# Altium PCB PCB1.PcbDoc (part 1 of 2)
Units mm, origin at the board's own origin, x right, y up, seen from the top; angles counter-clockwise.
Board outline 74.2 x 44.2 mm, 4 copper layers (Top Layer, Signal Layer 1, Signal Layer 2, Bottom Layer), stack 0.778 mm thick; 125 components, 98 nets, 589 pads, 210 vias.
Unrouted connection lines stored in the file: 7.
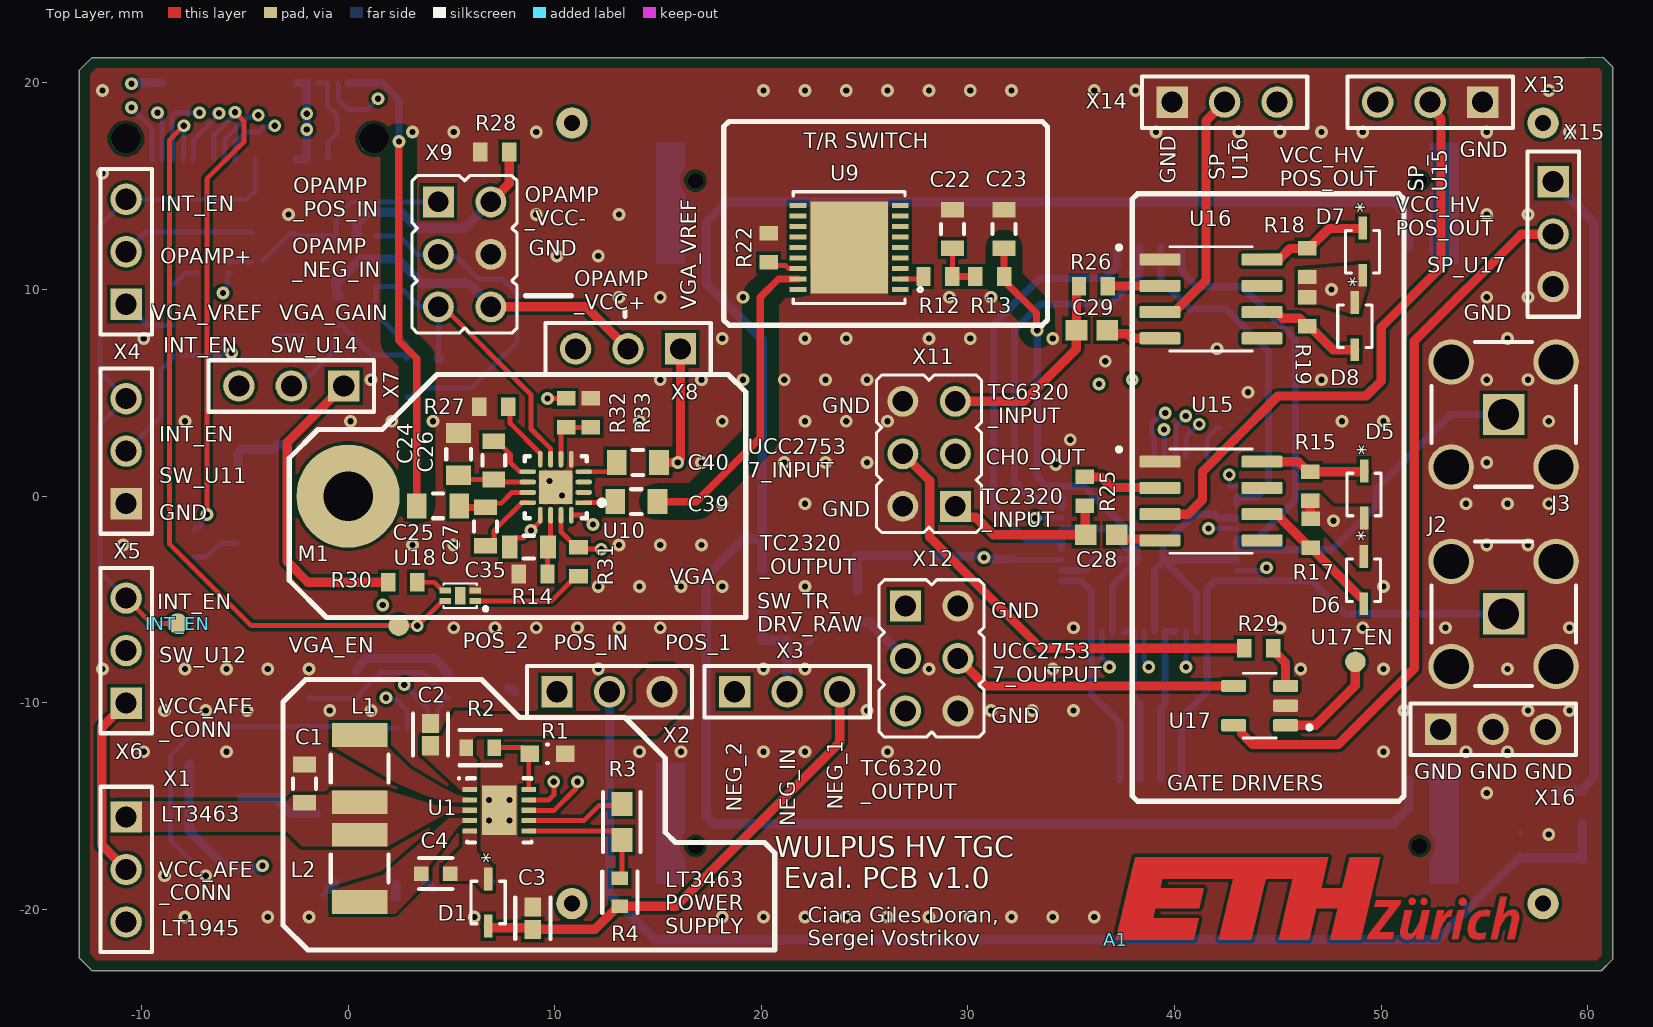
[diagram p0: Top Layer view]
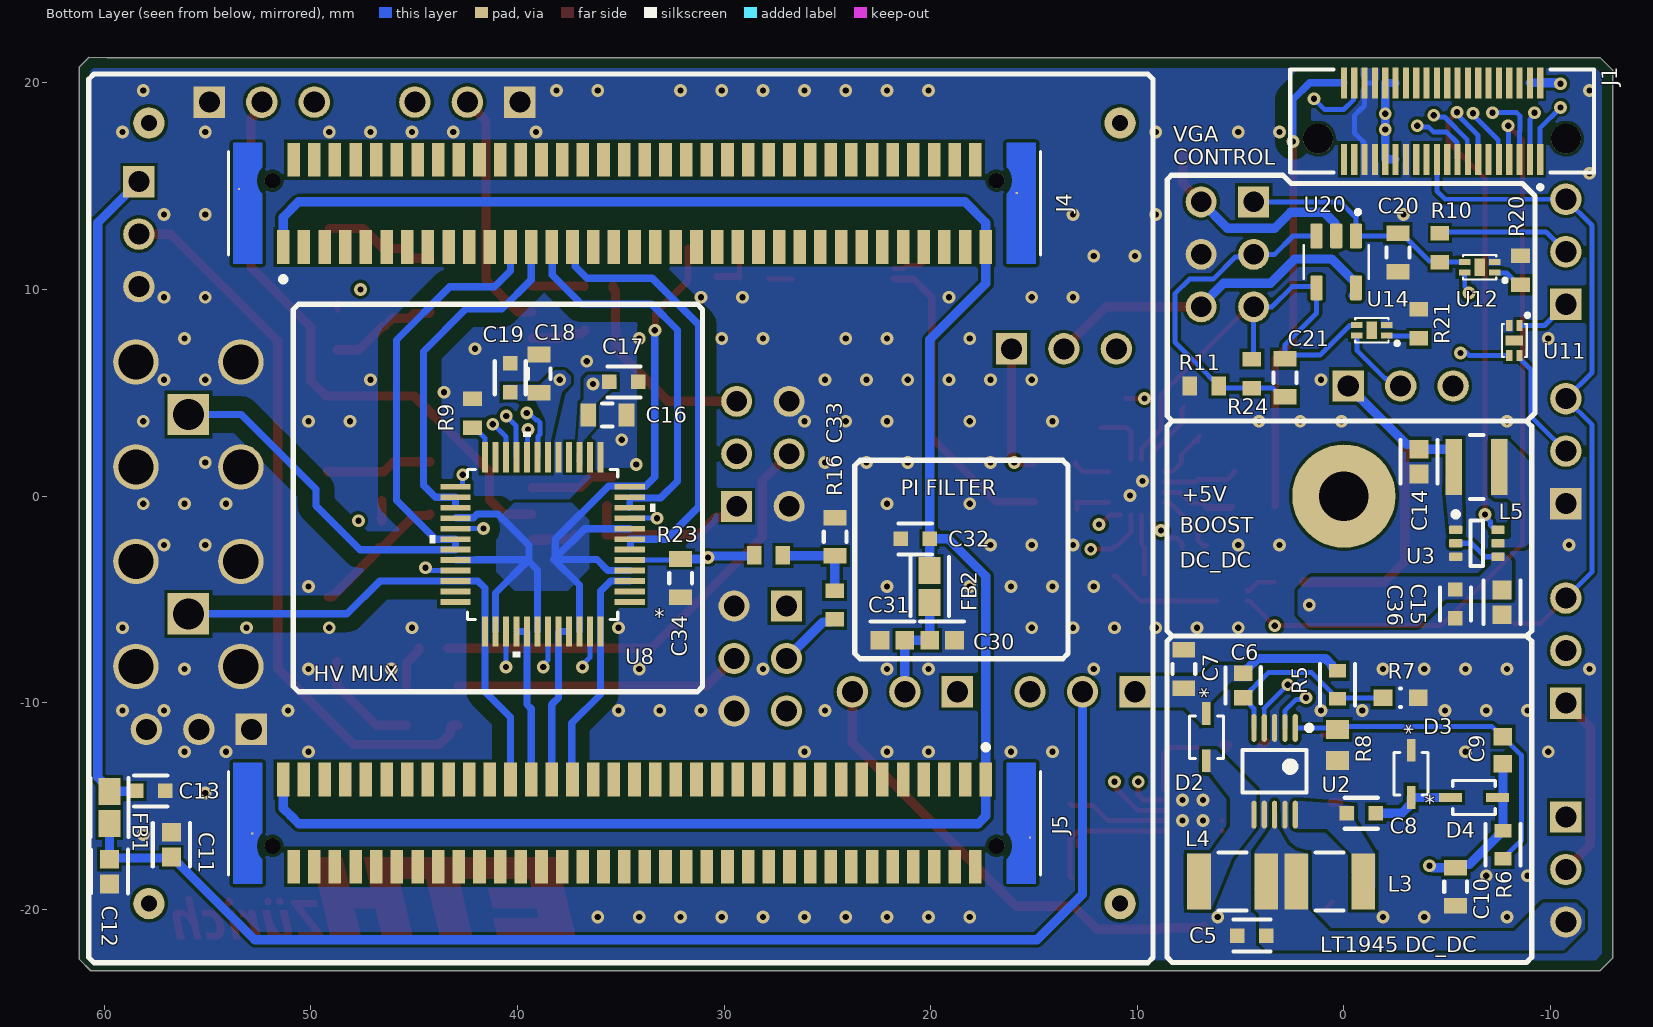
[diagram p1: Bottom Layer view, seen from below]
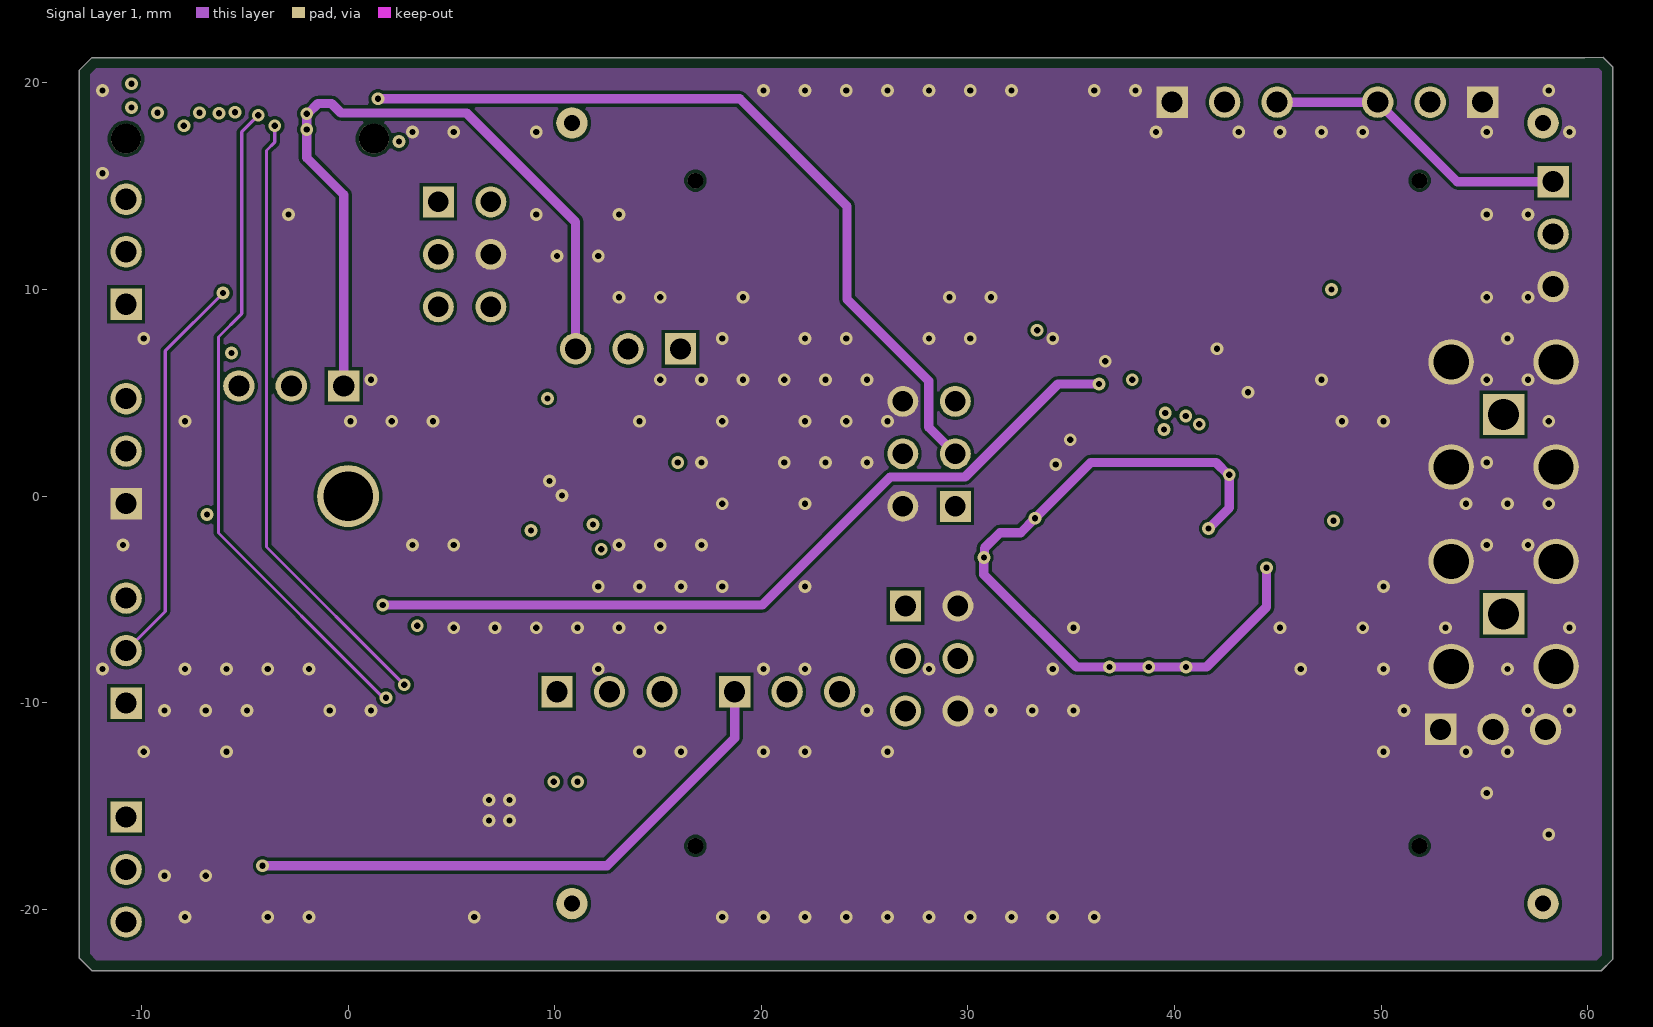
[diagram p2: Signal Layer 1]
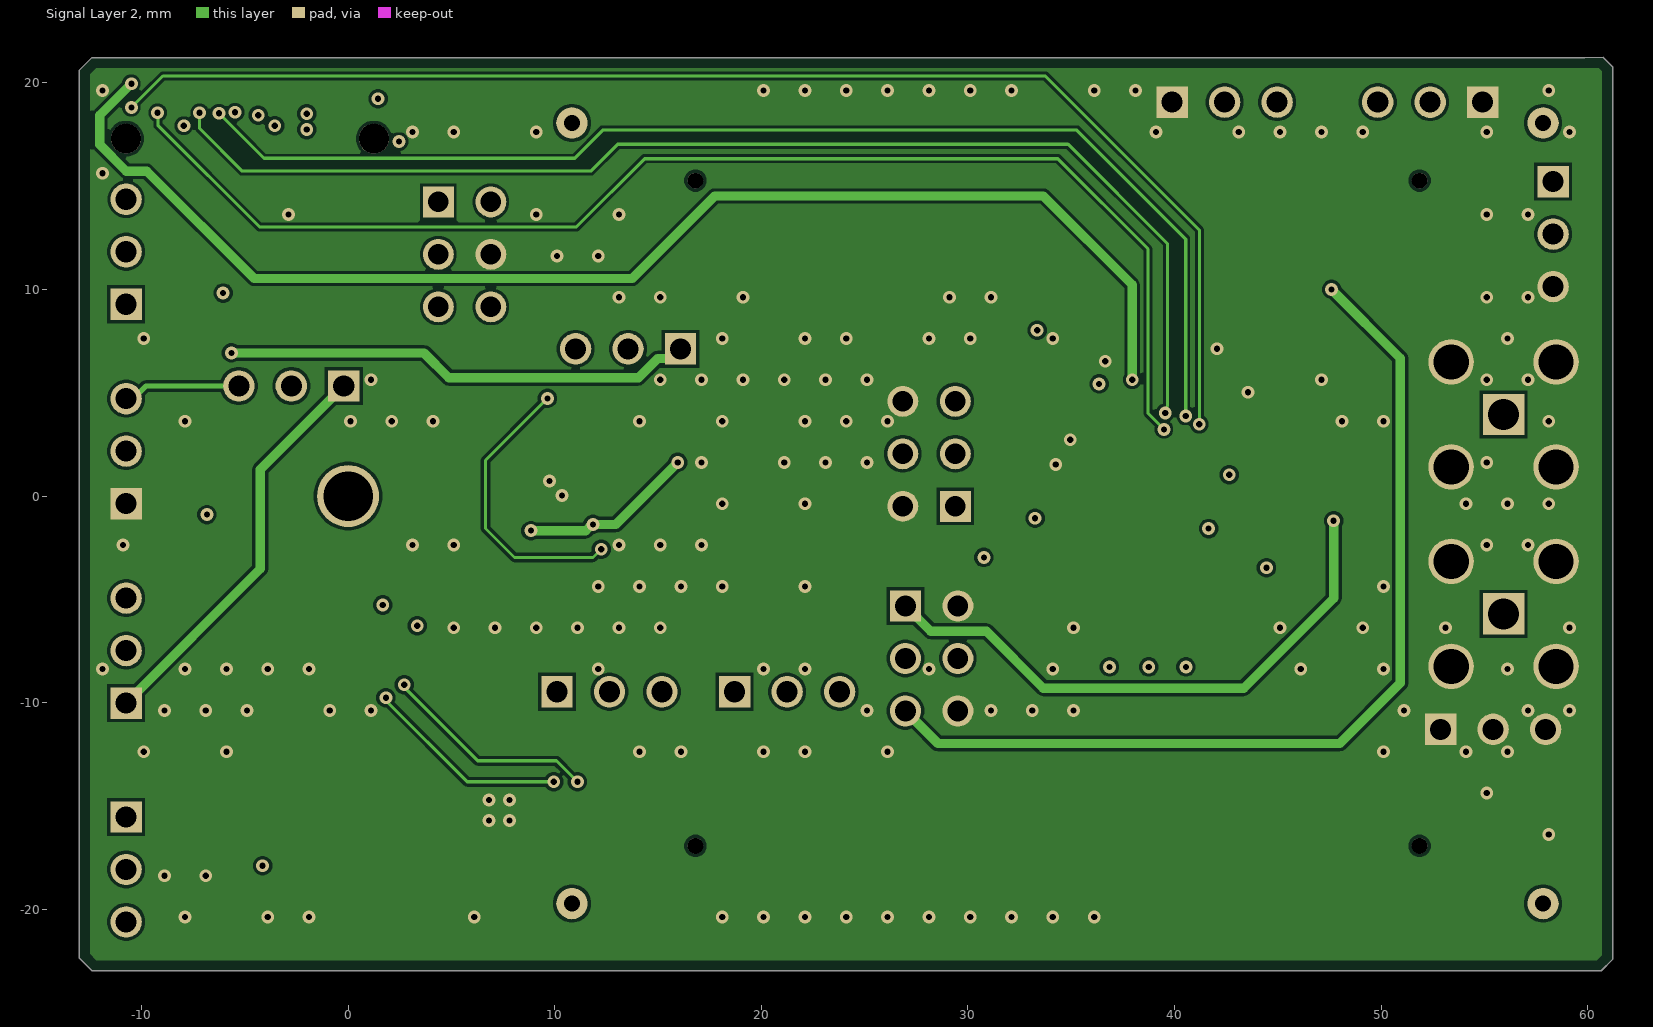
[diagram p3: Signal Layer 2]
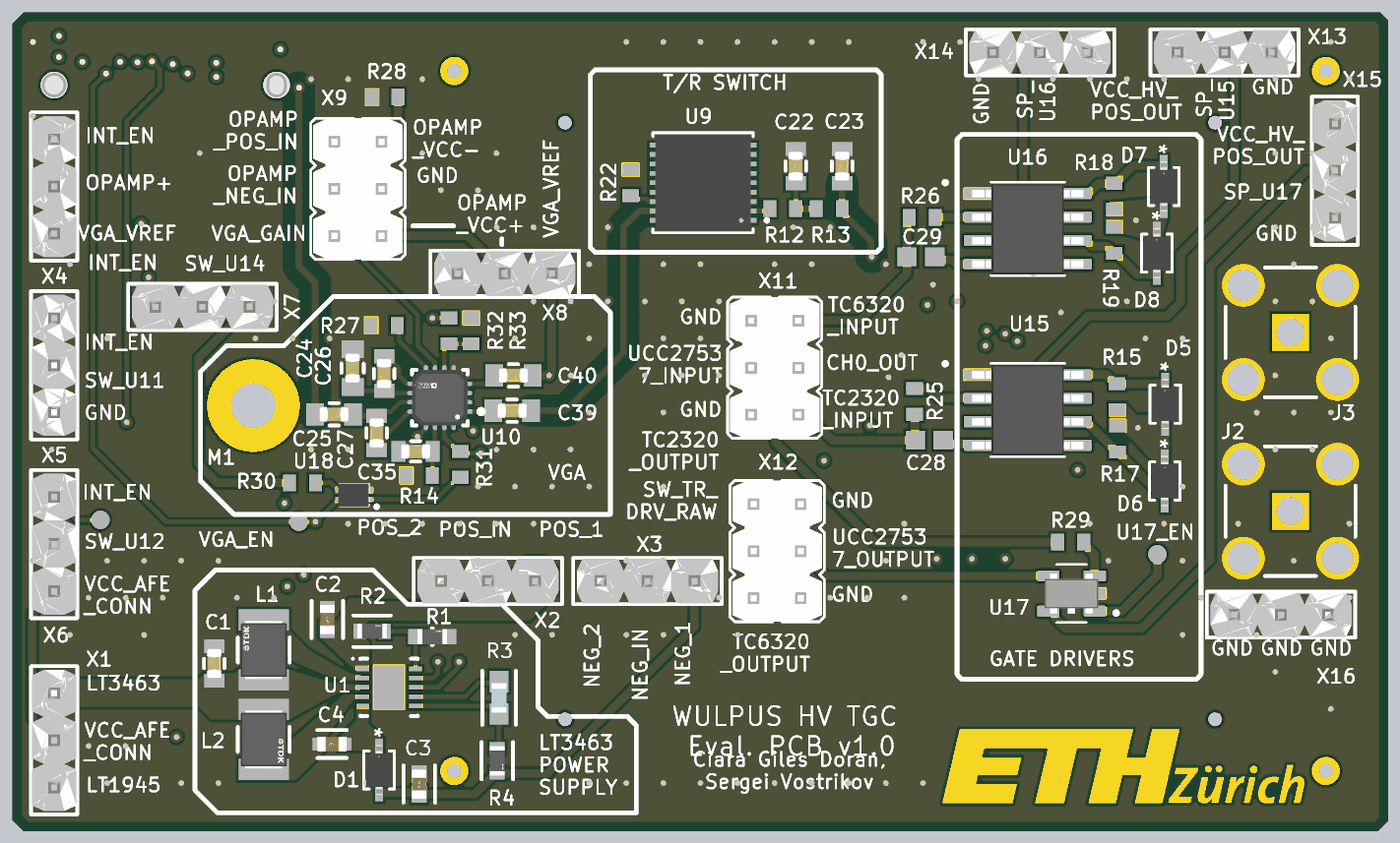
[diagram p5: 3D render of the assembled board from above, using the file's embedded part models]
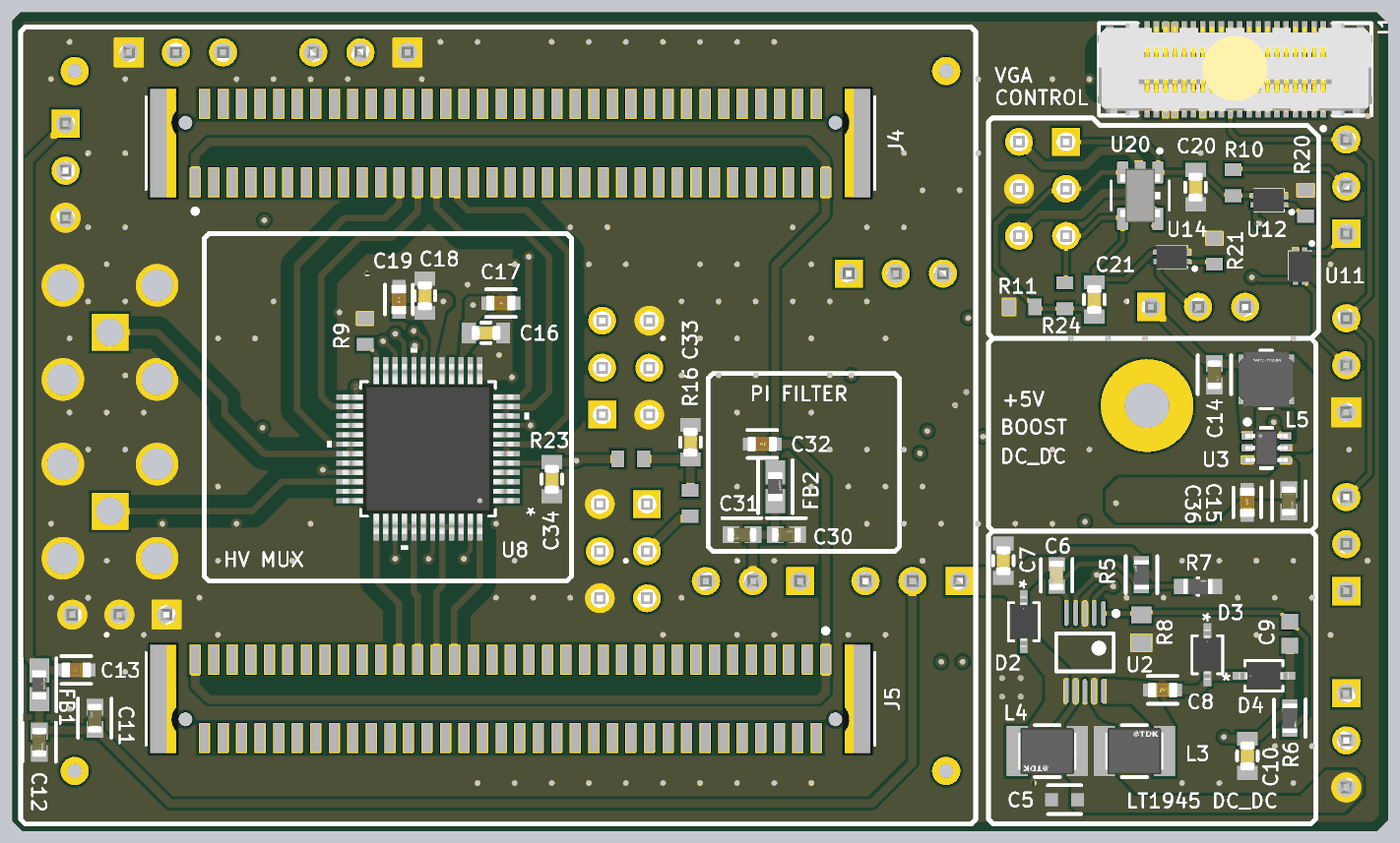
[diagram p6: 3D render of the assembled board from below, using the file's embedded part models]

## Layer stack, top to bottom
Top Solder: solder mask 0.0102, Solder Resist, Dk 3.5
Top Layer: signal copper 0.0356
Dielectric 1: core 0.254, FR-4, Dk 4.2
Signal Layer 1: signal copper 0.036
Dielectric 3: dielectric 0.127, Dk 4.2
Signal Layer 2: signal copper 0.036
Dielectric 2: core 0.254, FR-4, Dk 4.2
Bottom Layer: signal copper 0.0356
Bottom Solder: solder mask 0.0102, Solder Resist, Dk 3.5

## Board outline
61.2,-22.425 60.652,-22.973 -12.394,-22.973 -13,-22.367 -13,20.617 -12.394,21.223 59.852,21.223 60.752,21.227 61.2,20.779

## Design rules (kind name [scope] priority, off if disabled: settings)
BoardOutlineClearance [Not OnSilkscreen] p1: gap=0 ignorepadtopadclearanceinfootprint=FALSE except(0.5: Track-OutlineEdge Poly-OutlineEdge)
Clearance Clearance_50_Ohm [InNetClass('50 Ohm')] p1: gap=0.15 ignorepadtopadclearanceinfootprint=FALSE except(0: Arc-Hole Track-Hole SMDPad-Hole THPad-Hole Via-Hole Fill-Hole Poly-Hole Region-Hole Text-Hole; 0.7: Arc-Fill Arc-Poly Arc-Region Track-Fill Track-Poly Track-Region)
Clearance [All] p2: gap=0.15 ignorepadtopadclearanceinfootprint=FALSE except(0: Arc-Hole Track-Hole SMDPad-Hole THPad-Hole Via-Hole Fill-Hole Poly-Hole Region-Hole Text-Hole)
HoleSize [All] p1: absolutevalues=TRUE maxlimit=5 minlimit=0.3 maxpercent=80.000 minpercent=20.000
MinimumSolderMaskSliver [All] p1: minsoldermaskwidth=0.1
PlaneConnect [All] p1: pad.planeconnectstyle=Relief pad.reliefexpansion=0.508 pad.reliefentries=4 pad.reliefconductorwidth=0.254 pad.reliefairgap=0.254 via.planeconnectstyle=Direct via.reliefexpansion=0.508 via.reliefentries=4 via.reliefconductorwidth=0.254 via.reliefairgap=0.254
PolygonConnect [All] p1: connectstyle=Direct reliefconductorwidth=0.254 reliefentries=4 polygonreliefangle="90 Angle" airgapwidth=0.254
RoutingVias [All] p1: holewidth=0.3 width=0.62 viastyle="Through Hole" minholewidth=0.3 minwidth=0.62 maxholewidth=0.3 maxwidth=0.62
SilkToSilkClearance [All] p1: silktosilkclearance=0.01
SilkToSolderMaskClearance [IsPad] p1: minsilkscreentomaskgap=0.01 clearancetoexposedcopper=TRUE
SolderMaskExpansion SolderMaskExpansion_1 [IsVia] p1: expansion=0.102 istentingtop=TRUE
SolderMaskExpansion [All] p2: expansion=0.05 istentingtop=FALSE
Width Width_50_Ohm [InNetClass('50 Ohm')] p1: maxlimit=0.35 minlimit=0.15 preferedwidth=0.35 toplayer_minwidth=0.25 midlayer1_maxwidth=0.15 midlayer1_prefwidth=0.15 midlayer2_maxwidth=0.15 midlayer2_prefwidth=0.15 bottomlayer_minwidth=0.25 minimp=50.000000 maximp=50.000000 favimp=50.000000
Width [All] p2: maxlimit=2.5 minlimit=0.15 preferedwidth=0.45 toplayer_minwidth=0.24 bottomlayer_minwidth=0.24 minimp=50.000000 maximp=50.000000 favimp=50.000000
25 further rules are at their usual default settings.

## Classes and differential pairs
net class "50 Ohm": SIGNAL_RX SIGNAL_RX_RAW SIGNAL_TRX_RX SW_TR1 SW_TR2 SW_TR3 SW_TR4 SW_TR5 SW_TR6 SW_TR7 SW_TR8
component class 02_CMUT_RX: A1 C20 C21 C22 C23 C24 C25 C26 C27 C33 C34 C35 C39 C40 R10 R11 R12 R13 R14 R16 R20 R21 R22 R23 R24 R27 R28 R30 R31 R32 R33 U9 U10 U11 U12 U14 U18 U20 X4 X5 X6 X7 X8 X9
component class 01_CMUT_TX: C16 C17 C18 C19 C28 C29 D5 D6 D7 D8 INT_EN J1 J2 J3 J4 J5 R9 R15 R17 R18 R19 R25 R26 R29 U8 U15 U16 U17 U17_EN VGA_EN X11 X12 X13 X14 X15
component class 00_POWER: C1 C2 C3 C4 C5 C6 C7 C8 C9 C10 C11 C12 C13 C14 C15 C30 C31 C32 C36 D1 D2 D3 D4 FB1 FB2 L1 L2 L3 L4 L5 M1 R1 R2 R3 R4 R5 R6 R7 R8 U1 U2 U3 X1 X2 X3 X16

## Components (designator, comment, footprint, x,y, rotation, side; value= is the part's Value field where it differs from the comment)
A1 "Logo ETH Zurich" eth-zurich_4mm 37.152,-21.473 r0 top
C1 "CGA3E3X5R1H105K" FP-CGA3E-0_3-0_1-IPC_B -2.107,-13.92 r90 top
C2 "C1608X5R1H474K080AB" FP-C1608-080-0_1-IPC_C 3.989,-11.543 r90 top
C3 "C1608X5R1H474K080AB" FP-C1608-080-0_1-IPC_C 8.942,-20.433 r90 top
C4 "C1608X5R1H104K080AA" FP-C1608-080-0_1-MFG 4.243,-18.274 r0 top
C5 "C1608X5R1V475K080AC" FP-C1608-080-0_2-MFG 4.452,-21.273 r0 bottom
C6 "C0603C479K5GAC7867" FP-C0603C-CF-MFG 4.878,-9.165 r90 bottom value="4.7 pF"
C7 "CGA3E3X5R1H105K" FP-CGA3E-0_3-0_1-IPC_B 7.752,-8.373 r270 bottom
C8 "C1608X5R1H104K080AA" FP-C1608-080-0_1-MFG -0.837,-15.353 r180 bottom
C9 "06035C101KAT2A" CAPC1608X90X35LL15T15 -7.695,-12.305 r270 bottom
C10 "CGA3E3X5R1H105K" FP-CGA3E-0_3-0_1-IPC_B -5.409,-18.909 r270 bottom
C11 "GRM188R61H225KE11D" FP-GRM188-0_2-IPC_C 56.752,-16.873 r90 bottom
C12 "GRM188R61H225KE11D" FP-GRM188-0_2-IPC_C 59.752,-18.173 r270 bottom
C13 "C1608X5R1H104K080AA" FP-C1608-080-0_1-MFG 57.752,-14.273 r180 bottom
C14 "GRM188R6YA106MA73D" FP-GRM188-0_2-IPC_C -3.631,1.665 r270 bottom
C15 "GRM188R6YA106MA73D" FP-GRM188-0_2-IPC_C -7.648,-5.148 r270 bottom
C16 "CGA3E3X5R1H105K" FP-CGA3E-0_3-0_1-IPC_B 35.652,3.927 r180 bottom
C17 "C1608X5R1H104K080AA" FP-C1608-080-0_1-MFG 34.852,5.527 r180 bottom
C18 "CGA3E3X5R1H105K" FP-CGA3E-0_3-0_1-IPC_B 38.952,5.927 r90 bottom
C19 "C1608X5R1H104K080AA" FP-C1608-080-0_1-MFG 40.352,5.727 r90 bottom
C20 "CGA3E3X5R1H105K" FP-CGA3E-0_3-0_1-IPC_B -2.615,11.789 r270 bottom
C21 "CGA3E3X5R1H105K" FP-CGA3E-0_3-0_1-IPC_B 2.852,5.727 r90 bottom
C22 "CGA3E3X5R1H105K" FP-CGA3E-0_3-0_1-IPC_B 29.252,12.927 r90 top
C23 "CGA3E3X5R1H105K" FP-CGA3E-0_3-0_1-IPC_B 31.752,12.927 r90 top
C24 "TDK CGA3E2X5R1H102K080AA" FP-CGA3E-0_3-0_1-IPC_A 5.352,2.027 r90 top
C25 "TDK CGA3E2X5R1H102K080AA" FP-CGA3E-0_3-0_1-IPC_A 4.352,-0.473 r180 top
C26 "CGA3E3X5R1H105K" FP-CGA3E-0_3-0_1-IPC_B 7.052,1.727 r90 top
C27 "CGA3E3X5R1H105K" FP-CGA3E-0_3-0_1-IPC_B 6.652,-1.473 r270 top
C28 "06035D103KAT2A" CAPC1608X90X35NL15T15 36.452,-1.873 r0 top
C29 "06035D103KAT2A" CAPC1608X90X35NL15T15 36.002,8.027 r0 top
C30 "GRM188R61H225KE11D" FP-GRM188-0_2-IPC_C 19.452,-6.973 r180 bottom
C31 "Murata GRM188R61H225KE11D" FP-GRM188-0_2-IPC_C 21.852,-6.973 r0 bottom
C32 "C1608X5R1H104K080AA" FP-C1608-080-0_1-MFG 20.752,-2.073 r0 bottom
C33 "CGA3E3X5R1H105K" FP-CGA3E-0_3-0_1-IPC_B 24.627,-1.973 r90 bottom
C34 "CGA3E3X5R1H105K" FP-CGA3E-0_3-0_1-IPC_B 32.102,-3.973 r270 bottom
C35 "CGA3E3X5R1H105K" FP-CGA3E-0_3-0_1-IPC_B 8.752,-2.473 r180 top
C36 "C1608X5R1H104K080AA" FP-C1608-080-0_1-MFG -5.398,-5.223 r270 bottom
C39 "TDK CGA3E2X5R1H102K080AA" FP-CGA3E-0_3-0_1-IPC_A 13.952,-0.273 r180 top
C40 "TDK CGA3E2X5R1H102K080AA" FP-CGA3E-0_3-0_1-IPC_A 14.027,1.627 r180 top
D1 "ZHCS400QTA" DIODE_SOD323_DIO 6.783,-19.671 r270 top
D2 "ZHCS400QTA" DIODE_SOD323_DIO 6.656,-11.67 r270 bottom
D3 "ZHCS400QTA" DIODE_SOD323_DIO -3.25,-13.448 r270 bottom
D4 "ZHCS400QTA" DIODE_SOD323_DIO -6.298,-14.591 r180 bottom
D5 "ZHCS400QTA" DIODE_SOD323_DIO 49.177,0.077 r270 top
D6 "ZHCS400QTA" DIODE_SOD323_DIO 49.152,-4.073 r270 top
D7 "ZHCS400QTA" DIODE_SOD323_DIO 49.102,11.827 r270 top
D8 "ZHCS400QTA" DIODE_SOD323_DIO 48.727,8.227 r270 top
FB1 "BLM18PG300SH1D" FP-BLM18-0_15-t0_8-IPC_A 59.752,-15.073 r90 bottom
FB2 "BLM18PG300SH1D" FP-BLM18-0_15-t0_8-IPC_A 20.052,-4.373 r90 bottom